# Allegro board 8880F5-0823_1_redwan.brd (continued)
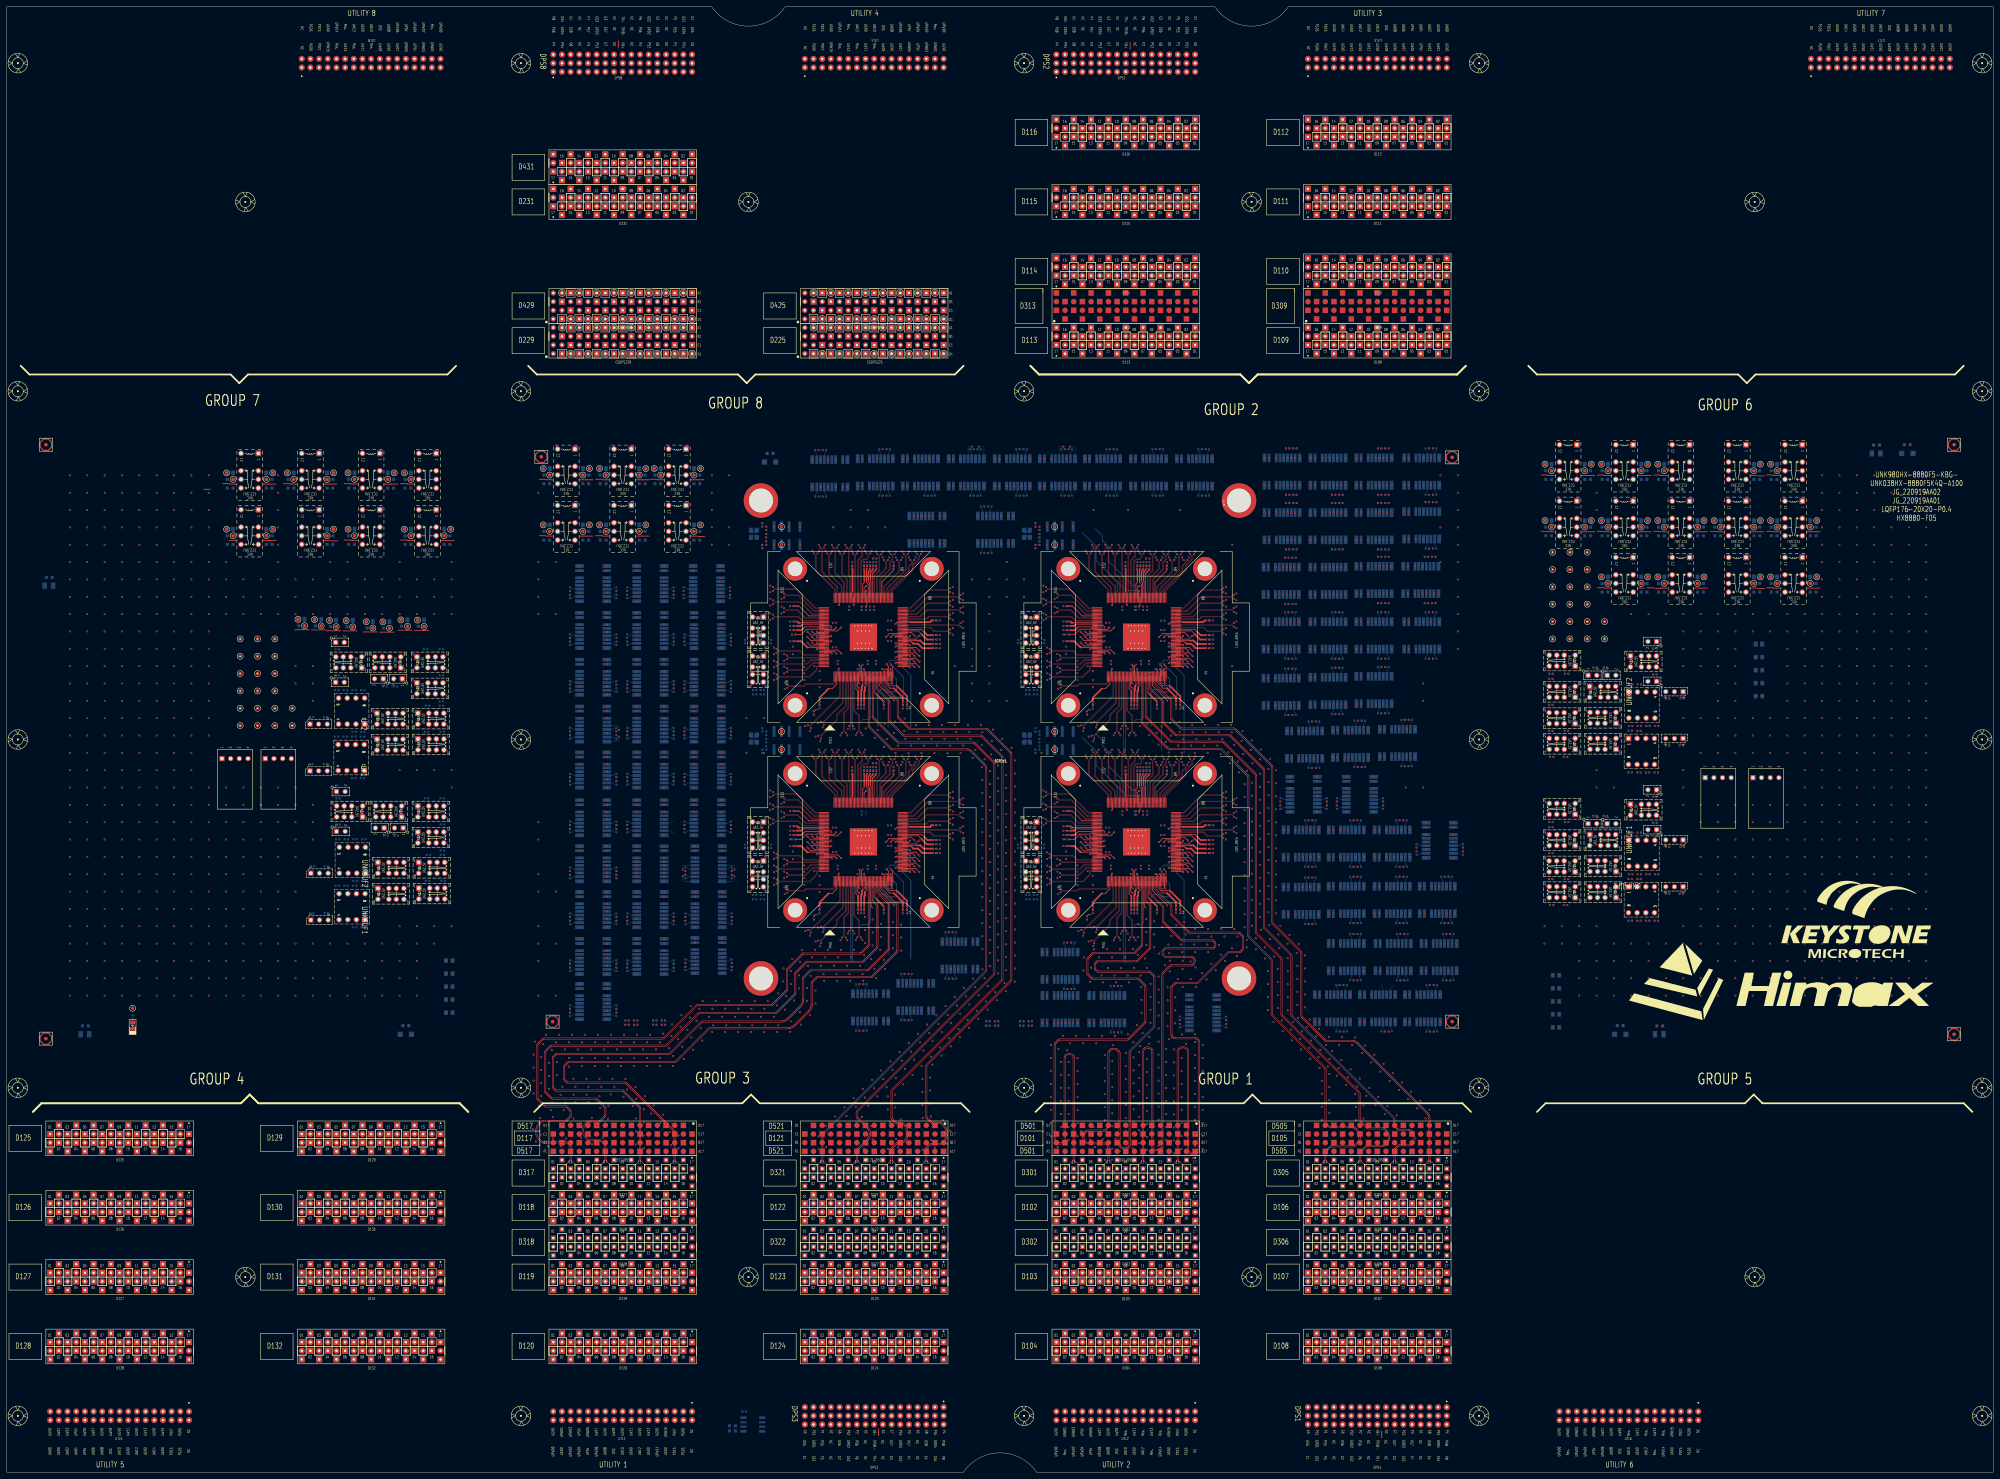
[diagram p0: board, top side]
## Nets (continued)
D12003: D120.03
D12004: D120.04
D12005: D120.05
D12006: D120.06
D12007: D120.07
D12008: D120.08
D12009: D120.09
D12010: D120.10
D12011: D120.11
D12012: D120.12
D12013: D120.13
D12014: D120.14
D12015: D120.15
D12016: D120.16
D12201: D122.01
D12202: D122.02
D12203: D122.03
D12204: D122.04
D12205: D122.05
D12206: D122.06
D12207: D122.07
D12208: D122.08
D12209: D122.09
D12210: D122.10
D12211: D122.11
D12212: D122.12
D12213: D122.13
D12214: D122.14
D12215: D122.15
D12216: D122.16
D12301: D123.01
D12302: D123.02
D12303: D123.03
D12304: D123.04
D12305: D123.05
D12306: D123.06
D12307: D123.07
D12308: D123.08
D12309: D123.09
D12310: D123.10
D12311: D123.11
D12312: D123.12
D12313: D123.13
D12314: D123.14
D12315: D123.15
D12316: D123.16
D12401: D124.01
D12402: D124.02
D12403: D124.03
D12404: D124.04
D12405: D124.05
D12406: D124.06
D12407: D124.07
D12408: D124.08
D12409: D124.09
D12410: D124.10
D12411: D124.11
D12412: D124.12
D12413: D124.13
D12414: D124.14
D12415: D124.15
D12416: D124.16
D12501: D125.01 R58.2 SITE1.170(OLV1P)
D12502: D125.02 R103.2 SITE1.6(ELV0P)
D12503: D125.03 R57.1 SITE1.169(OLV1N)
D12504: D125.04 R102.1 SITE1.5(ELV0N)
D12505: D125.05 R56.2 SITE1.168(OLV0P)
D12506: D125.06 R46.2 SITE1.8(ELV1P)
D12507: D125.07 R55.1 SITE1.167(OLV0N)
D12508: D125.08 R45.1 SITE1.7(ELV1N)
D12509: D125.09 R60.2 SITE1.2(OLV4P)
D12510: D125.10 R62.2 SITE1.174(OLVCKP)
D12511: D125.11 R59.1 SITE1.1(OLV4N)
D12512: D125.12 R61.1 SITE1.173(OLVCKN)
D12513: D125.13 R105.2 SITE1.172(OLV2P)
D12514: D125.14 R66.2 SITE1.176(OLV3P)
D12515: D125.15 R104.1 SITE1.171(OLV2N)
D12516: D125.16 R65.1 SITE1.175(OLV3N)
D12601: D126.01
D12602: D126.02
D12603: D126.03
D12604: D126.04
D12605: D126.05
D12606: D126.06
D12607: D126.07
D12608: D126.08
D12609: D126.09 R50.2 SITE1.16(ELV4P)
D12610: D126.10 R48.2 SITE1.14(ELV3P)
D12611: D126.11 R49.1 SITE1.15(ELV4N)
D12612: D126.12 R47.1 SITE1.13(ELV3N)
D12613: D126.13 R52.2 SITE1.10(ELV2P)
D12614: D126.14 R54.2 SITE1.12(ELVCKP)
D12615: D126.15 R51.1 SITE1.9(ELV2N)
D12616: D126.16 R53.1 SITE1.11(ELVCKN)
D12701: D127.01
D12702: D127.02
D12703: D127.03
D12704: D127.04
D12705: D127.05
D12706: D127.06
D12707: D127.07
D12708: D127.08
D12709: D127.09
D12710: D127.10
D12711: D127.11
D12712: D127.12
D12713: D127.13
D12714: D127.14
D12715: D127.15
D12716: D127.16
D12801: D128.01
D12802: D128.02
D12803: D128.03
D12804: D128.04
D12805: D128.05
D12806: D128.06
D12807: D128.07
D12808: D128.08
D12809: D128.09
D12810: D128.10
D12811: D128.11
D12812: D128.12
D12813: D128.13
D12814: D128.14
D12815: D128.15
D12816: D128.16
D12901: D129.01 SITE3.175(OLV3N) UNK3R65.1
D12902: D129.02 SITE3.170(OLV1P) UNK3R58.2
D12903: D129.03 SITE3.176(OLV3P) UNK3R66.2
D12904: D129.04 SITE3.169(OLV1N) UNK3R57.1
D12905: D129.05 SITE3.172(OLV2P) UNK3R105.2
D12906: D129.06 SITE3.174(OLVCKP) UNK3R62.2
D12907: D129.07 SITE3.171(OLV2N) UNK3R104.1
D12908: D129.08 SITE3.173(OLVCKN) UNK3R61.1
D12909: D129.09 SITE3.12(ELVCKP) UNK3R54.2
D12910: D129.10 SITE3.2(OLV4P) UNK3R60.2
D12911: D129.11 SITE3.11(ELVCKN) UNK3R53.1
D12912: D129.12 SITE3.1(OLV4N) UNK3R59.1
D12913: D129.13 SITE3.8(ELV1P) UNK3R46.2
D12914: D129.14 SITE3.168(OLV0P) UNK3R56.2
D12915: D129.15 SITE3.7(ELV1N) UNK3R45.1
D12916: D129.16 SITE3.167(OLV0N) UNK3R55.1
D13001: D130.01
D13002: D130.02
D13003: D130.03
D13004: D130.04
D13005: D130.05
D13006: D130.06
D13007: D130.07
D13008: D130.08
D13009: D130.09 SITE3.16(ELV4P) UNK3R50.2
D13010: D130.10 SITE3.10(ELV2P) UNK3R52.2
D13011: D130.11 SITE3.15(ELV4N) UNK3R49.1
D13012: D130.12 SITE3.9(ELV2N) UNK3R51.1
D13013: D130.13 SITE3.14(ELV3P) UNK3R48.2
D13014: D130.14 SITE3.6(ELV0P) UNK3R103.2
D13015: D130.15 SITE3.13(ELV3N) UNK3R47.1
D13016: D130.16 SITE3.5(ELV0N) UNK3R102.1
D13101: D131.01
D13102: D131.02
D13103: D131.03
D13104: D131.04
D13105: D131.05
D13106: D131.06
D13107: D131.07
D13108: D131.08
D13109: D131.09
D13110: D131.10
D13111: D131.11
D13112: D131.12
D13113: D131.13
D13114: D131.14
D13115: D131.15
D13116: D131.16
D13201: D132.01
D13202: D132.02
D13203: D132.03
D13204: D132.04
D13205: D132.05
D13206: D132.06
D13207: D132.07
D13208: D132.08
D13209: D132.09
D13210: D132.10
D13211: D132.11
D13212: D132.12
D13213: D132.13
D13214: D132.14
D13215: D132.15
D13216: D132.16
D30101: D301.01
D30102: D301.02 SITE4.26(RXD0P)
D30103: D301.03
D30104: D301.04 SITE4.27(RXD0N)
D30105: D301.05
D30106: D301.06 SITE4.29(RXD1P)
D30107: D301.07
D30108: D301.08 SITE4.30(RXD1N)
D30109: D301.09
D30110: D301.10 SITE4.32(RXD2P)
D30111: D301.11
D30112: D301.12 SITE4.33(RXD2N)
D30113: D301.13
D30114: D301.14 SITE4.35(RXD3P)
D30115: D301.15
D30116: D301.16 SITE4.36(RXD3N)
D30201: D302.01
D30202: D302.02
D30203: D302.03
D30204: D302.04
D30205: D302.05
D30206: D302.06
D30207: D302.07
D30208: D302.08
D30209: D302.09
D30210: D302.10
D30211: D302.11
D30212: D302.12
D30213: D302.13
D30214: D302.14
D30215: D302.15
D30216: D302.16
D30501: D305.01
D30502: D305.02 SITE2.26(RXD0P)
D30503: D305.03
D30504: D305.04 SITE2.27(RXD0N)
D30505: D305.05
D30506: D305.06 SITE2.29(RXD1P)
D30507: D305.07
D30508: D305.08 SITE2.30(RXD1N)
D30509: D305.09
D30510: D305.10 SITE2.32(RXD2P)
D30511: D305.11
D30512: D305.12 SITE2.33(RXD2N)
D30513: D305.13
D30514: D305.14 SITE2.35(RXD3P)
D30515: D305.15
D30516: D305.16 SITE2.36(RXD3N)
D30601: D306.01
D30602: D306.02
D30603: D306.03
D30604: D306.04
D30605: D306.05
D30606: D306.06
D30607: D306.07
D30608: D306.08
D30609: D306.09
D30610: D306.10
D30611: D306.11
D30612: D306.12
D30613: D306.13
D30614: D306.14
D30615: D306.15
D30616: D306.16
D31701: D317.01
D31702: D317.02 SITE3.26(RXD0P)
D31703: D317.03
D31704: D317.04 SITE3.27(RXD0N)
D31705: D317.05
D31706: D317.06 SITE3.29(RXD1P)
D31707: D317.07
D31708: D317.08 SITE3.30(RXD1N)
D31709: D317.09
D31710: D317.10 SITE3.32(RXD2P)
D31711: D317.11
D31712: D317.12 SITE3.33(RXD2N)
D31713: D317.13
D31714: D317.14 SITE3.35(RXD3P)
D31715: D317.15
D31716: D317.16 SITE3.36(RXD3N)
D31801: D318.01
D31802: D318.02
D31803: D318.03
D31804: D318.04
D31805: D318.05
D31806: D318.06
D31807: D318.07
D31808: D318.08
D31809: D318.09
D31810: D318.10
D31811: D318.11
D31812: D318.12
D31813: D318.13
D31814: D318.14
D31815: D318.15
D31816: D318.16
D32101: D321.01
D32102: D321.02 SITE1.26(RXD0P)
D32103: D321.03
D32104: D321.04 SITE1.27(RXD0N)
D32105: D321.05
D32106: D321.06 SITE1.29(RXD1P)
D32107: D321.07
D32108: D321.08 SITE1.30(RXD1N)
D32109: D321.09
D32110: D321.10 SITE1.32(RXD2P)
D32111: D321.11
D32112: D321.12 SITE1.33(RXD2N)
D32113: D321.13
D32114: D321.14 SITE1.35(RXD3P)
D32115: D321.15
D32116: D321.16 SITE1.36(RXD3N)
D32201: D322.01
D32202: D322.02
D32203: D322.03
D32204: D322.04
D32205: D322.05
D32206: D322.06
D32207: D322.07
D32208: D322.08
D32209: D322.09
D32210: D322.10
D32211: D322.11
D32212: D322.12
D32213: D322.13
D32214: D322.14
D32215: D322.15
D32216: D322.16
MSDPS1_1F: DPS1.C03
MSDPS1_1GRD: DPS1.B02
MSDPS1_1GS: DPS1.A02
MSDPS1_1S: DPS1.C02
MSDPS1_2F: DPS1.C07
MSDPS1_2GRD: DPS1.B06
MSDPS1_2GS: DPS1.A06
MSDPS1_2S: DPS1.C06
MSDPS1_3F: DPS1.C13
MSDPS1_3GRD: DPS1.B12
MSDPS1_3GS: DPS1.A12
MSDPS1_3S: DPS1.C12
MSDPS1_4F: DPS1.C17
MSDPS1_4GRD: DPS1.B16
MSDPS1_4GS: DPS1.A16
MSDPS1_4S: DPS1.C16
MSDPS1_5F: DPS1.A03
MSDPS1_5GS: DPS1.B01
MSDPS1_5S: DPS1.B03
MSDPS1_6F: DPS1.A07
MSDPS1_6GS: DPS1.B05
MSDPS1_6S: DPS1.B07
MSDPS1_7F: DPS1.A13
MSDPS1_7GS: DPS1.B11
MSDPS1_7S: DPS1.B13
MSDPS1_8F: DPS1.A17
MSDPS1_8GS: DPS1.B15
MSDPS1_8S: DPS1.B17
MSDPS1_TR+: DPS1.A09
MSDPS1_TRVB-: DPS1.B09 SB1.2
MSDPS1_VB+: DPS1.C09
MSDPS2_1F: DPS2.C03
MSDPS2_1GRD: DPS2.B02
MSDPS2_1GS: DPS2.A02
MSDPS2_1S: DPS2.C02
MSDPS2_2F: DPS2.C07
MSDPS2_2GRD: DPS2.B06
MSDPS2_2GS: DPS2.A06
MSDPS2_2S: DPS2.C06
MSDPS2_3F: DPS2.C13
MSDPS2_3GRD: DPS2.B12
MSDPS2_3GS: DPS2.A12
MSDPS2_3S: DPS2.C12
MSDPS2_4F: DPS2.C17
MSDPS2_4GRD: DPS2.B16
MSDPS2_4GS: DPS2.A16
MSDPS2_4S: DPS2.C16
MSDPS2_5F: DPS2.A03
MSDPS2_5GS: DPS2.B01
MSDPS2_5S: DPS2.B03
MSDPS2_6F: DPS2.A07
MSDPS2_6GS: DPS2.B05
MSDPS2_6S: DPS2.B07
MSDPS2_7F: DPS2.A13
MSDPS2_7GS: DPS2.B11
MSDPS2_7S: DPS2.B13
MSDPS2_8F: DPS2.A17
MSDPS2_8GS: DPS2.B15
MSDPS2_8S: DPS2.B17
MSDPS2_TR+: DPS2.A09
MSDPS2_TRVB-: DPS2.B09 SB2.2
MSDPS2_VB+: DPS2.C09
MSDPS3_1F: DPS3.C03
MSDPS3_1GRD: DPS3.B02
MSDPS3_1GS: DPS3.A02
MSDPS3_1S: DPS3.C02
MSDPS3_2F: DPS3.C07
MSDPS3_2GRD: DPS3.B06
MSDPS3_2GS: DPS3.A06
MSDPS3_2S: DPS3.C06
MSDPS3_3F: DPS3.C13
MSDPS3_3GRD: DPS3.B12
MSDPS3_3GS: DPS3.A12
MSDPS3_3S: DPS3.C12
MSDPS3_4F: DPS3.C17
MSDPS3_4GRD: DPS3.B16
MSDPS3_4GS: DPS3.A16
MSDPS3_4S: DPS3.C16
MSDPS3_5F: DPS3.A03
MSDPS3_5GS: DPS3.B01
MSDPS3_5S: DPS3.B03
MSDPS3_6F: DPS3.A07
MSDPS3_6GS: DPS3.B05
MSDPS3_6S: DPS3.B07
MSDPS3_7F: DPS3.A13
MSDPS3_7GS: DPS3.B11
MSDPS3_7S: DPS3.B13
MSDPS3_8F: DPS3.A17
MSDPS3_8GS: DPS3.B15
MSDPS3_8S: DPS3.B17
MSDPS3_TR+: DPS3.A09
MSDPS3_TRVB-: DPS3.B09 SB3.2
MSDPS3_VB+: DPS3.C09
MSDPS8_1F: DPS8.C03
MSDPS8_1GRD: DPS8.B02
MSDPS8_1GS: DPS8.A02
MSDPS8_1S: DPS8.C02
MSDPS8_2F: DPS8.C07
MSDPS8_2GRD: DPS8.B06
MSDPS8_2GS: DPS8.A06
MSDPS8_2S: DPS8.C06
MSDPS8_3F: DPS8.C13
MSDPS8_3GRD: DPS8.B12
MSDPS8_3GS: DPS8.A12
MSDPS8_3S: DPS8.C12
MSDPS8_4F: DPS8.C17
MSDPS8_4GRD: DPS8.B16
MSDPS8_4GS: DPS8.A16
MSDPS8_4S: DPS8.C16
MSDPS8_5F: DPS8.A03
MSDPS8_5GS: DPS8.B01
MSDPS8_5S: DPS8.B03
MSDPS8_6F: DPS8.A07
MSDPS8_6GS: DPS8.B05
MSDPS8_6S: DPS8.B07
MSDPS8_7F: DPS8.A13
MSDPS8_7GS: DPS8.B11
MSDPS8_7S: DPS8.B13
MSDPS8_8F: DPS8.A17
MSDPS8_8GS: DPS8.B15
MSDPS8_8S: DPS8.B17
MSDPS8_TR+: DPS8.A09
MSDPS8_TRVB-: DPS8.B09 SB8.2
MSDPS8_VB+: DPS8.C09
S1_1AUX+: K9.4 R129.1
S1_1AUX-: K9.5 R130.1
S1_1SPI_CSN: K15.5 K19.6
S1_1SPI_SCK: K15.4 K19.3
S1_1SPI_SDI: K14.5 K20.6
S1_1SPI_SDO: K14.4 K20.3
S1_1TX_100DCH001+: K43.6 R7.1
S1_1TX_100DCH001-: K43.3 R8.2
S1_1TX_100DCH002+: R9.1 SITE1.75(AML1P)
S1_1TX_100DCH002-: R10.2 SITE1.76(AML1N)
S1_1TX_100DCH003+: R11.1 SITE1.79(AML2P)
S1_1TX_100DCH003-: R12.2 SITE1.80(AML2N)
S1_1TX_100DCH004+: R13.1 SITE1.81(AMLCKP)
S1_1TX_100DCH004-: R14.2 SITE1.82(AMLCKN)
S1_1TX_100DCH005+: R15.1 SITE1.83(AML3P)
S1_1TX_100DCH005-: R16.2 SITE1.84(AML3N)
S1_1TX_100DCH006+: R17.1 SITE1.85(AML4P)
S1_1TX_100DCH006-: R18.2 SITE1.86(AML4N)
S1_1TX_100DCH007+: R19.1 SITE1.87(AML5P)
S1_1TX_100DCH007-: R20.2 SITE1.88(AML5N)
S1_2AUX+: C3.1 R1.2 R3.1 R129.2
S1_2AUX-: C4.1 R2.2 R4.2 R130.2
S1_2TX_100DCH001+: R21.1 SITE1.89(BML0P)
S1_2TX_100DCH001-: R22.2 SITE1.90(BML0N)
S1_2TX_100DCH002+: R23.1 SITE1.91(BML1P)
S1_2TX_100DCH002-: R24.2 SITE1.92(BML1N)
S1_2TX_100DCH003+: R25.1 SITE1.93(BML2P)
S1_2TX_100DCH003-: R26.2 SITE1.94(BML2N)
S1_2TX_100DCH004+: R27.1 SITE1.95(BMLCKP)
S1_2TX_100DCH004-: R28.2 SITE1.96(BMLCKN)
S1_2TX_100DCH005+: R29.1 SITE1.98(BML3P)
S1_2TX_100DCH005-: R30.2 SITE1.99(BML3N)
S1_2TX_100DCH006+: R31.1 SITE1.100(BML4P)
S1_2TX_100DCH006-: R32.2 SITE1.101(BML4N)
S1_2TX_100DCH007+: R33.1 SITE1.102(BML5P)
S1_2TX_100DCH007-: R34.2 SITE1.103(BML5N)
S1_3TX_100DCH002+: R37.1 SITE1.114(CML1P)
S1_3TX_100DCH002-: R38.2 SITE1.115(CML1N)
S1_3TX_100DCH003+: R39.1 SITE1.116(CML2P)
S1_3TX_100DCH003-: R40.2 SITE1.117(CML2N)
S1_3TX_100DCH004+: R41.1 SITE1.120(CMLCKP)
S1_3TX_100DCH004-: R42.2 SITE1.121(CMLCKN)
S1_3TX_100DCH005+: R67.1 SITE1.122(CML3P)
S1_3TX_100DCH005-: R68.2 SITE1.123(CML3N)
S1_3TX_100DCH006+: R69.1 SITE1.124(CML4P)
S1_3TX_100DCH006-: R70.2 SITE1.125(CML4N)
S1_3TX_100DCH007+: R71.1 SITE1.126(CML5P)
S1_3TX_100DCH007-: R72.2 SITE1.127(CML5N)
S1_4TX_100DCH001+: R73.1 SITE1.129(DML0P)
S1_4TX_100DCH001-: R74.2 SITE1.130(DML0N)
S1_4TX_100DCH002+: R75.1 SITE1.131(DML1P)
S1_4TX_100DCH002-: R76.2 SITE1.132(DML1N)
S1_4TX_100DCH003+: R77.1 SITE1.133(DML2P)
S1_4TX_100DCH003-: R78.2 SITE1.134(DML2N)
S1_4TX_100DCH004+: R79.1 SITE1.135(DMLCKP)
S1_4TX_100DCH004-: R80.2 SITE1.136(DMLCKN)
S1_4TX_100DCH005+: R43.1 SITE1.137(DML3P)
S1_4TX_100DCH005-: R44.2 SITE1.138(DML3N)
S1_4TX_100DCH006+: R63.1 SITE1.140(DML4P)
S1_4TX_100DCH006-: R64.2 SITE1.141(DML4N)
S1_4TX_100DCH007+: R100.1 SITE1.142(DML5P)
S1_4TX_100DCH007-: R101.2 SITE1.143(DML5N)
S1_AUX_100DCH001+: K9.2
S1_AUX_100DCH001-: K9.7
S1_AUX_100DCH002+: C3.2
S1_AUX_100DCH002-: C4.2
S1_AUXCH+: K9.3 K12.3 SITE1.21(AUXCHP)
S1_AUXCH-: K9.6 K12.6 SITE1.20(AUXCHN)
S1_AVDD11_RX: CA9.1 CA10.1 CC13.1 CD9.1 K37.9 SH10.1 SITE1.31(AVDD11_RX) TP_AVDD11_RX.1(TP)
S1_AVDD11_XTAL: CA32.1 CA33.1 CC26.1 CD16.1 K31.4 SH23.1 SITE1.105(AVDD11_XTAL) TP_AVDD11_XTAL.1(TP)
S1_AVDD18_RX: CA7.1 CA8.1 CC11.1 CD8.1 K37.4 SH7.1 SITE1.25(AVDD18_RX) TP_AVDD18_RX.1(TP)
S1_DCH041: SITE1.159(STV2)
S1_DCH042: SITE1.160(STV1)
S1_DCH043: SITE1.161(POL)
S1_DCH044: SITE1.163(TP1)
S1_DCH045: SITE1.164(DC_EN)
S1_DCH046: SITE1.165(H2POL)
S1_DCH047: SITE1.166(SQINV)
S1_DCH048: K18.7
S1_DCH049: K18.2
S1_DPS_F_001: CA19.1 CA20.1 R1.1 R4.1 SH20.1 TP_AUXVCC.1(TP)
S1_DPS_F_002: CA1.1 CA2.1 CC1.1 CC2.1 CD1.1 K34.4 SH1.1 SITE1.3(VDDA_33_LV) TP_VDDA_33_LV.1(TP)
S1_DPS_F_003: CA3.1 CA4.1 CC4.1 CC30.1 CC31.1 CC32.1 CC33.1 CC34.1 CC35.1 CC42.1 CD3.1 CD17.1 CD18.1 CD19.1 CD20.1 CD21.1 CD22.1 K34.9 R85.1 SH3.1 SITE1.17(VDD_IO_33-1) SITE1.37(VDD_IO_33-2) SITE1.63(VDD_IO_33-3) SITE1.71(VDD_IO_33-4) SITE1.107(VDD_IO_33-5) SITE1.145(VDD_IO_33-6) SITE1.162(VDD_IO_33-7) TP_VDD_IO_33.1(TP)
S1_DPS_F_006: CA17.1 CA18.1 CC25.1 CC40.1 CD15.1 K42.4 SH18.1 SITE1.72(VDD_TXREG_33_B) TP_VDD_TXREG_33_B.1(TP)
S1_DPS_F_007: CA11.1 CA12.1 CC15.1 CC16.1 CC27.1 CC28.1 CD10.1 CD11.1 K39.4 SH12.1 SITE1.78(VDDTXPST_11_B-1) SITE1.97(VDDTXPST_11_B-2) TP_VDDTXPST_11_B.1(TP)
S1_DPS_F_009: CA13.1 CA14.1 CC19.1 CC20.1 CD13.1 K40.4 SH14.1 SITE1.106(PLL_M_VDD33) TP_PLL_M_VDD33.1(TP)
S1_DPS_F_010: CA15.1 CA16.1 CC22.1 CC23.1 CD14.1 K40.9 SH16.1 SITE1.111(PLL_TX_VDD33) TP_PLL_TX_VDD33.1(TP)
S1_DPS_F_011: CA35.1 CA36.1 CC17.1 CC29.1 CC37.1 CC38.1 CD12.1 CD24.1 K39.9 SH25.1 SITE1.119(VDDTXPST_11_T-1) SITE1.139(VDDTXPST_11_T-2) TP_VDDTXPST_11_T.1(TP)
S1_DPS_F_012: CA38.1 CA39.1 CC39.1 CC41.1 CD25.1 K42.9 SH27.1 SITE1.144(VDD_TXREG_33_T) TP_VDD_TXREG_33_T.1(TP)
S1_DPS_F_013: C8.1 C9.1 CA30.1 CA31.1 R82.2 R83.1 R84.1 R87.2 R88.2 R89.2 R90.2 R91.2 R92.2 R94.2 R95.2 R96.2 R97.2 R98.2 R99.2 R119.1 R120.1 SH22.1 TP_VCC3V3.1(TP) U1.8(VCC) U2.8(VCC)
S1_DPS_FS_001: SH20.2
S1_DPS_FS_002: SH1.2
S1_DPS_FS_003: SH3.2
S1_DPS_FS_004: SH7.2
S1_DPS_FS_005: SH10.2
S1_DPS_FS_006: SH18.2
S1_DPS_FS_007: SH12.2
S1_DPS_FS_008: SH23.2
S1_DPS_FS_009: SH14.2
S1_DPS_FS_010: SH16.2
S1_DPS_FS_011: SH25.2
S1_DPS_FS_012: SH27.2
S1_DPS_FS_013: SH22.2
S1_DPS_GS_001: SH19.2
S1_DPS_GS_002: SH2.2
S1_DPS_GS_003: SH4.2
S1_DPS_GS_004: SH8.2
S1_DPS_GS_005: SH9.2
S1_DPS_GS_006: SH17.2
S1_DPS_GS_007: SH11.2
S1_DPS_GS_008: SH24.2
S1_DPS_GS_009: SH13.2
S1_DPS_GS_010: SH15.2
S1_DPS_GS_011: SH26.2
S1_DPS_GS_012: SH28.2
S1_DPS_GS_013: SH21.2
S1_ISP00+: K43.7 SITE1.73(AML0P)
S1_ISP00-: K43.2 SITE1.74(AML0N)
S1_ISP14+: K43.5 SITE1.112(CML0P)
S1_ISP14-: K43.4 SITE1.113(CML0N)
S1_ISP_1LOCK: K33.3 R118.2
S1_M_DPS_F_001: CA5.1 CA6.1 CC6.1 CC7.1 CC8.1 CC9.1 CC36.1 CD4.1 CD5.1 CD6.1 CD7.1 CD23.1 K36.4 K36.9 SH5.1 SITE1.22(VDDC_11-1) SITE1.39(VDDC_11-2) SITE1.64(VDDC_11-3) SITE1.104(VDDC_11-4) SITE1.147(VDDC_11-5) TP_VDDC_11.1(TP)
S1_M_DPS_FS_001: SH5.2
S1_M_DPS_GS_001: SH6.2
S1_PS9G_DCH001: SITE1.18(TEST)
S1_PS9G_DCH002: K10.3 S1_RST_N.1 SITE1.19(RESET_N)
S1_PS9G_DCH003: SITE1.24(HPD)
S1_PS9G_DCH004: SITE1.40(AGEN)
S1_PS9G_DCH005: SITE1.45(STV_IN)
S1_PS9G_DCH006: SITE1.46(EIO1)
S1_PS9G_DCH007: SITE1.47(EIO2)
S1_PS9G_DCH009: SITE1.49(PWMI)
S1_PS9G_DCH010: J4.2 K28.3 S1_I2C.1 SITE1.50(I2C_SCL)
S1_PS9G_DCH011: J5.2 K28.6 S1_I2C.2 SITE1.51(I2C_SDA)
S1_PS9G_DCH014: SITE1.54(LED_SPI_SIN_A)
S1_PS9G_DCH015: SITE1.55(LED_SPI_SCLK_A)
S1_PS9G_DCH022: SITE1.65(LED_SPI_SO_A)
S1_PS9G_DCH023: SITE1.66(LED_SPI_SO_B)
S1_PS9G_DCH027: SITE1.70(OSD_SPI_SDO)
S1_PS9G_DCH028: SITE1.77(NC_VDDTX_11_B)
S1_PS9G_DCH029: SITE1.118(NC_VDDTX_11_T)
S1_PS9G_DCH030: R118.1 SITE1.148(ISP_LOCK)
S1_PS9G_DCH035: SITE1.153(CLK6)
S1_PS9G_DCH036: SITE1.154(CLK5)
S1_PS9G_DCH037: SITE1.155(CLK4)
S1_PS9G_DCH038: SITE1.156(CLK3)
S1_PS9G_DCH039: SITE1.157(CLK2)
S1_PS9G_DCH040: SITE1.158(CLK1)
S1_RLY_001: K1.8(V-) K2.8(V-)
S1_RLY_003: K3.8(V-) K4.8(V-)
S1_RLY_005: K5.8(V-) K6.8(V-)
S1_RLY_007: K7.8(V-)
S1_RLY_008: K8.8(V-) K11.8(V-)
S1_RLY_009: K9.8(V-)
S1_RLY_010: K10.8(V-)
S1_RLY_012: K12.8(V-)
S1_RLY_013: K13.8(V-)
S1_RLY_014: K14.8(V-)
S1_RLY_015: K15.8(V-)
S1_RLY_016: K16.8(V-) K17.8(V-)
S1_RLY_018: K18.8(V-)
S1_RLY_019: K19.8(V-)
S1_RLY_020: K20.8(V-)
S1_RLY_021: K21.8(V-) K29.8(V-)
S1_RLY_022: K22.8(V-) K24.8(V-)
S1_RLY_023: K23.8(V-)
S1_RLY_025: K25.8(V-) K27.8(V-)
S1_RLY_026: K26.8(V-)
S1_RLY_028: K28.8(V-)
S1_RLY_030: K30.8(V-)
S1_RLY_031: K31.12(V-)
S1_RLY_033: K33.8(V-)
S1_RLY_034: K34.12(V-)
S1_RLY_036: K36.12(V-)
S1_RLY_037: K37.12(V-)
S1_RLY_039: K39.12(V-)
S1_RLY_040: K40.12(V-)
S1_RLY_042: K42.12(V-)
S1_RLY_043: K43.8(V-)
S1_SCAN_DCH008: SITE1.48(FAIL_FLAG_O)
S1_SCAN_DCH012: SITE1.52(LED_SPI_BLANK_A)
S1_SCAN_DCH013: SITE1.53(LED_SPI_GSCLK_A)
S1_SCAN_DCH016: SITE1.56(LED_SPI_XLAT_A)
S1_SCAN_DCH017: SITE1.57(LED_SPI_BLANK_B)
S1_SCAN_DCH018: SITE1.58(LED_SPI_GSCLK_B)
S1_SCAN_DCH019: SITE1.59(LED_SPI_SIN_B)
S1_SCAN_DCH020: SITE1.60(LED_SPI_SCLK_B)
S1_SCAN_DCH021: SITE1.61(LED_SPI_XLAT_B)
S1_SCAN_DCH024: K13.3 SITE1.67(OSD_SPI_SCK_I2CCLK)
S1_SCAN_DCH025: K13.6 SITE1.68(OSD_SPI_SDI_I2CDAT)
S1_SCAN_DCH026: SITE1.69(OSD_SPI_CSN)
S1_SCAN_DCH031: SITE1.149(OE2)
S1_SCAN_DCH032: SITE1.150(OE1)
S1_SCAN_DCH033: SITE1.151(CLK8)
S1_SCAN_DCH034: SITE1.152(CLK7)
S1_SCAN_DCH050: K15.2
S1_SCAN_DCH051: K15.7
S1_SCAN_DCH052: K14.2
S1_SCAN_DCH053: K14.7
S1_SPI_1_CSN: K19.7 R87.1 U1.1(CS#)
S1_SPI_1_SCK: K19.2 R91.1 U1.6(SCLK)
S1_SPI_1_SDI: K20.7 R127.1
S1_SPI_1_SDO: K20.2 R125.1
S1_SPI_2_CSN: K19.5 R94.1 U2.1(CS#)
S1_SPI_2_SCK: K19.4 R98.1 U2.6(SCLK)
S1_SPI_2_SDI: K20.5 R128.1
S1_SPI_2_SDO: K20.4 R126.1
S1_SPI_11_SDI: R88.1 R127.2 U1.2(SO)
S1_SPI_11_SDO: R92.1 R125.2 U1.5(SI)
S1_SPI_22_SDI: R95.1 R128.2 U2.2(SO)
S1_SPI_22_SDO: R99.1 R126.2 U2.5(SI)
S1_SPI_CSN: K15.6 SITE1.43(SPI_CSN)
S1_SPI_SCK: K15.3 SITE1.42(SPI_SCK)
S1_SPI_SDI: K14.6 SITE1.44(SPI_SDI)
S1_SPI_SDO: K14.3 SITE1.41(SPI_SDO)
S1_XTAL_IN: K18.3 SITE1.109(XTAL_IN) TP_XTAL_IN.1(TP)
S1_XTAL_OUT: K18.6 SITE1.110(XTAL_OUT) TP_XTAL_OUT.1(TP)
S2_1AUX+: UNK2K9.4 UNK2R129.1
S2_1AUX-: UNK2K9.5 UNK2R130.1
S2_1SPI_CSN: UNK2K15.5 UNK2K19.6
S2_1SPI_SCK: UNK2K15.4 UNK2K19.3
S2_1SPI_SDI: UNK2K14.5 UNK2K20.6
S2_1SPI_SDO: UNK2K14.4 UNK2K20.3
S2_1TX_100DCH001+: UNK2K43.6 UNK2R7.1
S2_1TX_100DCH001-: UNK2K43.3 UNK2R8.2
S2_1TX_100DCH002+: SITE2.75(AML1P) UNK2R9.1
S2_1TX_100DCH002-: SITE2.76(AML1N) UNK2R10.2
S2_1TX_100DCH003+: SITE2.79(AML2P) UNK2R11.1
S2_1TX_100DCH003-: SITE2.80(AML2N) UNK2R12.2
S2_1TX_100DCH004+: SITE2.81(AMLCKP) UNK2R13.1
S2_1TX_100DCH004-: SITE2.82(AMLCKN) UNK2R14.2
S2_1TX_100DCH005+: SITE2.83(AML3P) UNK2R15.1
S2_1TX_100DCH005-: SITE2.84(AML3N) UNK2R16.2
S2_1TX_100DCH006+: SITE2.85(AML4P) UNK2R17.1
S2_1TX_100DCH006-: SITE2.86(AML4N) UNK2R18.2
S2_1TX_100DCH007+: SITE2.87(AML5P) UNK2R19.1
S2_1TX_100DCH007-: SITE2.88(AML5N) UNK2R20.2
S2_2AUX+: UNK2C3.1 UNK2R1.2 UNK2R3.1 UNK2R129.2
S2_2AUX-: UNK2C4.1 UNK2R2.2 UNK2R4.2 UNK2R130.2
S2_2TX_100DCH001+: SITE2.89(BML0P) UNK2R21.1
S2_2TX_100DCH001-: SITE2.90(BML0N) UNK2R22.2
S2_2TX_100DCH002+: SITE2.91(BML1P) UNK2R23.1
S2_2TX_100DCH002-: SITE2.92(BML1N) UNK2R24.2
S2_2TX_100DCH003+: SITE2.93(BML2P) UNK2R25.1
S2_2TX_100DCH003-: SITE2.94(BML2N) UNK2R26.2
S2_2TX_100DCH004+: SITE2.95(BMLCKP) UNK2R27.1
S2_2TX_100DCH004-: SITE2.96(BMLCKN) UNK2R28.2
S2_2TX_100DCH005+: SITE2.98(BML3P) UNK2R29.1
S2_2TX_100DCH005-: SITE2.99(BML3N) UNK2R30.2
S2_2TX_100DCH006+: SITE2.100(BML4P) UNK2R31.1
S2_2TX_100DCH006-: SITE2.101(BML4N) UNK2R32.2
S2_2TX_100DCH007+: SITE2.102(BML5P) UNK2R33.1
S2_2TX_100DCH007-: SITE2.103(BML5N) UNK2R34.2
S2_3TX_100DCH002+: SITE2.114(CML1P) UNK2R37.1
S2_3TX_100DCH002-: SITE2.115(CML1N) UNK2R38.2
S2_3TX_100DCH003+: SITE2.116(CML2P) UNK2R39.1
S2_3TX_100DCH003-: SITE2.117(CML2N) UNK2R40.2
S2_3TX_100DCH004+: SITE2.120(CMLCKP) UNK2R41.1
S2_3TX_100DCH004-: SITE2.121(CMLCKN) UNK2R42.2
S2_3TX_100DCH005+: SITE2.122(CML3P) UNK2R67.1
S2_3TX_100DCH005-: SITE2.123(CML3N) UNK2R68.2
S2_3TX_100DCH006+: SITE2.124(CML4P) UNK2R69.1
S2_3TX_100DCH006-: SITE2.125(CML4N) UNK2R70.2
S2_3TX_100DCH007+: SITE2.126(CML5P) UNK2R71.1
S2_3TX_100DCH007-: SITE2.127(CML5N) UNK2R72.2
S2_4TX_100DCH001+: SITE2.129(DML0P) UNK2R73.1
S2_4TX_100DCH001-: SITE2.130(DML0N) UNK2R74.2
S2_4TX_100DCH002+: SITE2.131(DML1P) UNK2R75.1
S2_4TX_100DCH002-: SITE2.132(DML1N) UNK2R76.2
S2_4TX_100DCH003+: SITE2.133(DML2P) UNK2R77.1
S2_4TX_100DCH003-: SITE2.134(DML2N) UNK2R78.2
S2_4TX_100DCH004+: SITE2.135(DMLCKP) UNK2R79.1
S2_4TX_100DCH004-: SITE2.136(DMLCKN) UNK2R80.2
S2_4TX_100DCH005+: SITE2.137(DML3P) UNK2R43.1
S2_4TX_100DCH005-: SITE2.138(DML3N) UNK2R44.2
S2_4TX_100DCH006+: SITE2.140(DML4P) UNK2R63.1
S2_4TX_100DCH006-: SITE2.141(DML4N) UNK2R64.2
S2_4TX_100DCH007+: SITE2.142(DML5P) UNK2R100.1
S2_4TX_100DCH007-: SITE2.143(DML5N) UNK2R101.2
S2_AUX_100DCH001+: UNK2K9.2
S2_AUX_100DCH001-: UNK2K9.7
S2_AUX_100DCH002+: UNK2C3.2
S2_AUX_100DCH002-: UNK2C4.2
S2_AUXCH+: SITE2.21(AUXCHP) UNK2K9.3 UNK2K12.3
S2_AUXCH-: SITE2.20(AUXCHN) UNK2K9.6 UNK2K12.6
S2_AVDD11_RX: SITE2.31(AVDD11_RX) UNK2CA9.1 UNK2CA10.1 UNK2CC13.1 UNK2CD9.1 UNK2K37.9 UNK2SH10.1 UNK2TP_AVDD11_RX.1
S2_AVDD11_XTAL: SITE2.105(AVDD11_XTAL) UNK2CA32.1 UNK2CA33.1 UNK2CC26.1 UNK2CD16.1 UNK2K31.4 UNK2SH23.1 UNK2TP_AVDD11_XTAL.1
S2_AVDD18_RX: SITE2.25(AVDD18_RX) UNK2CA7.1 UNK2CA8.1 UNK2CC11.1 UNK2CD8.1 UNK2K37.4 UNK2SH7.1 UNK2TP_AVDD18_RX.1
S2_DCH041: SITE2.159(STV2)
S2_DCH042: SITE2.160(STV1)
S2_DCH043: SITE2.161(POL)
S2_DCH044: SITE2.163(TP1)
S2_DCH045: SITE2.164(DC_EN)
S2_DCH046: SITE2.165(H2POL)
S2_DCH047: SITE2.166(SQINV)
S2_DCH048: UNK2K18.7
S2_DCH049: UNK2K18.2
S2_DPS_F_001: UNK2CA19.1 UNK2CA20.1 UNK2R1.1 UNK2R4.1 UNK2SH20.1 UNK2TP_AUXVCC.1
S2_DPS_F_002: SITE2.3(VDDA_33_LV) UNK2CA1.1 UNK2CA2.1 UNK2CC1.1 UNK2CC2.1 UNK2CD1.1 UNK2K34.4 UNK2SH1.1 UNK2TP_VDDA_33_LV.1
S2_DPS_F_003: SITE2.17(VDD_IO_33-1) SITE2.37(VDD_IO_33-2) SITE2.63(VDD_IO_33-3) SITE2.71(VDD_IO_33-4) SITE2.107(VDD_IO_33-5) SITE2.145(VDD_IO_33-6) SITE2.162(VDD_IO_33-7) UNK2CA3.1 UNK2CA4.1 UNK2CC4.1 UNK2CC30.1 UNK2CC31.1 UNK2CC32.1 UNK2CC33.1 UNK2CC34.1 UNK2CC35.1 UNK2CC42.1 UNK2CD3.1 UNK2CD17.1 UNK2CD18.1 UNK2CD19.1 UNK2CD20.1 UNK2CD21.1 UNK2CD22.1 UNK2K34.9 UNK2R85.1 UNK2SH3.1 UNK2TP_VDD_IO_33.1
S2_DPS_F_006: SITE2.72(VDD_TXREG_33_B) UNK2CA17.1 UNK2CA18.1 UNK2CC25.1 UNK2CC40.1 UNK2CD15.1 UNK2K42.4 UNK2SH18.1 UNK2TP_VDD_TXREG_33_B.1
S2_DPS_F_007: SITE2.78(VDDTXPST_11_B-1) SITE2.97(VDDTXPST_11_B-2) UNK2CA11.1 UNK2CA12.1 UNK2CC15.1 UNK2CC16.1 UNK2CC27.1 UNK2CC28.1 UNK2CD10.1 UNK2CD11.1 UNK2K39.4 UNK2SH12.1 UNK2TP_VDDTXPST_11_B.1
S2_DPS_F_009: SITE2.106(PLL_M_VDD33) UNK2CA13.1 UNK2CA14.1 UNK2CC19.1 UNK2CC20.1 UNK2CD13.1 UNK2K40.4 UNK2SH14.1 UNK2TP_PLL_M_VDD33.1
S2_DPS_F_010: SITE2.111(PLL_TX_VDD33) UNK2CA15.1 UNK2CA16.1 UNK2CC22.1 UNK2CC23.1 UNK2CD14.1 UNK2K40.9 UNK2SH16.1 UNK2TP_PLL_TX_VDD33.1
S2_DPS_F_011: SITE2.119(VDDTXPST_11_T-1) SITE2.139(VDDTXPST_11_T-2) UNK2CA35.1 UNK2CA36.1 UNK2CC17.1 UNK2CC29.1 UNK2CC37.1 UNK2CC38.1 UNK2CD12.1 UNK2CD24.1 UNK2K39.9 UNK2SH25.1 UNK2TP_VDDTXPST_11_T.1
S2_DPS_F_012: SITE2.144(VDD_TXREG_33_T) UNK2CA38.1 UNK2CA39.1 UNK2CC39.1 UNK2CC41.1 UNK2CD25.1 UNK2K42.9 UNK2SH27.1 UNK2TP_VDD_TXREG_33_T.1
S2_DPS_F_013: UNK2C8.1 UNK2C9.1 UNK2CA30.1 UNK2CA31.1 UNK2R82.2 UNK2R83.1 UNK2R84.1 UNK2R87.2 UNK2R88.2 UNK2R89.2 UNK2R90.2 UNK2R91.2 UNK2R92.2 UNK2R94.2 UNK2R95.2 UNK2R96.2 UNK2R97.2 UNK2R98.2 UNK2R99.2 UNK2R119.1 UNK2R120.1 UNK2SH22.1 UNK2TP_VCC3V3.1 UNK2U1.8 UNK2U2.8
S2_DPS_FS_001: UNK2SH20.2
S2_DPS_FS_002: UNK2SH1.2
S2_DPS_FS_003: UNK2SH3.2
S2_DPS_FS_004: UNK2SH7.2
S2_DPS_FS_005: UNK2SH10.2
S2_DPS_FS_006: UNK2SH18.2
S2_DPS_FS_007: UNK2SH12.2
S2_DPS_FS_008: UNK2SH23.2
S2_DPS_FS_009: UNK2SH14.2
S2_DPS_FS_010: UNK2SH16.2
S2_DPS_FS_011: UNK2SH25.2
S2_DPS_FS_012: UNK2SH27.2
S2_DPS_FS_013: UNK2SH22.2
S2_DPS_GS_001: UNK2SH19.2
S2_DPS_GS_002: UNK2SH2.2
S2_DPS_GS_003: UNK2SH4.2
S2_DPS_GS_004: UNK2SH8.2
S2_DPS_GS_005: UNK2SH9.2
S2_DPS_GS_006: UNK2SH17.2
S2_DPS_GS_007: UNK2SH11.2
S2_DPS_GS_008: UNK2SH24.2
S2_DPS_GS_009: UNK2SH13.2
S2_DPS_GS_010: UNK2SH15.2
S2_DPS_GS_011: UNK2SH26.2
S2_DPS_GS_012: UNK2SH28.2
S2_DPS_GS_013: UNK2SH21.2
S2_ISP00+: SITE2.73(AML0P) UNK2K43.7
S2_ISP00-: SITE2.74(AML0N) UNK2K43.2
S2_ISP14+: SITE2.112(CML0P) UNK2K43.5
S2_ISP14-: SITE2.113(CML0N) UNK2K43.4